# Altium PCB PCB_15122020_01CA.PcbDoc (part 3 of 5) (continued)
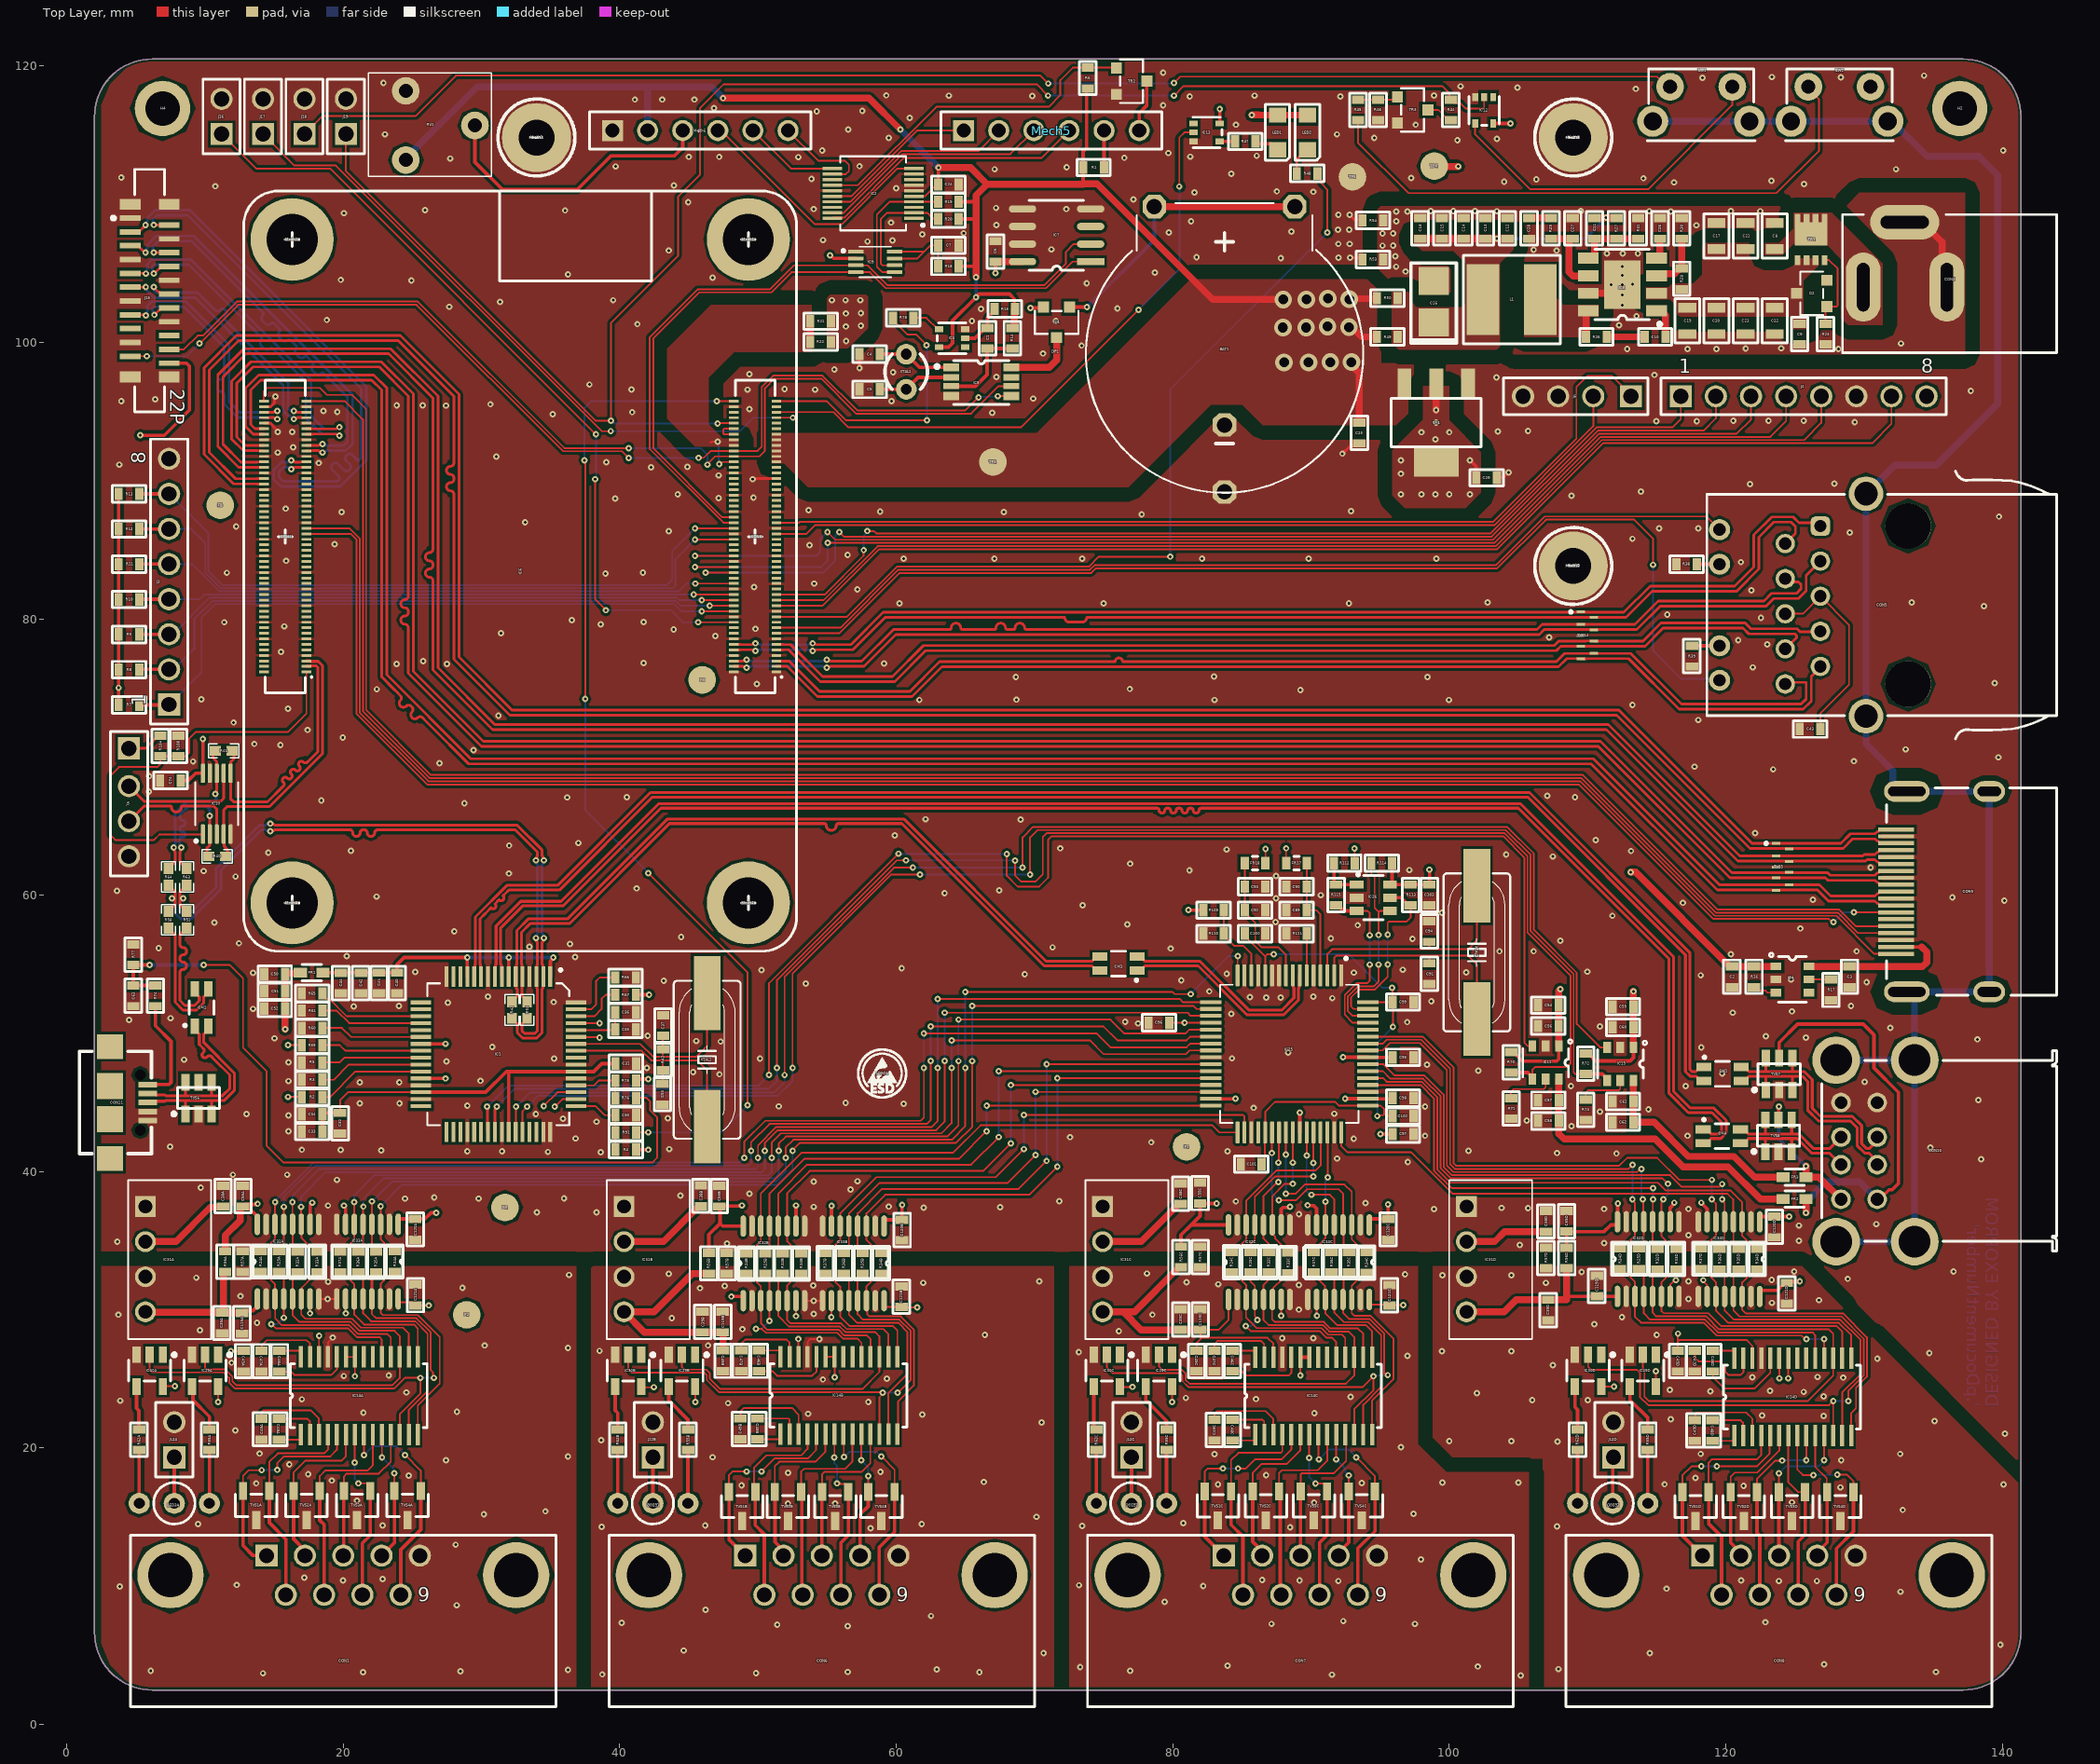
[diagram p0: Top Layer view]
## Nets (pads, with @x,y where several pads share a name; then routed paths per layer and width w, separated by ;. In a path a pad name is that pad's centre, name@x,y a point inside that pad or via, vN(x,y) a via of type N, cw(c..) or ccw(c..) an arc to the next point about the centre after c; other vN are vias at no path point) (continued)
  Bottom Layer w0.127: J3.1@7.4,73.8 9.75,76.15 9.75,80.1 10.716,81.066 11.745,81.066 43.936,81.066 44.448,80.554 v1(45.927,80.554)
GPIO27: CON3.48
HDMI0_CEC: CON4.51 CON9.13 | length 134.3
  Top Layer w0.127: CON4.51@17.337,86.152 20.522,86.152 20.964,85.71 20.964,73.116 26.066,68.014 109.373,68.014 119.103,58.284 127.474,58.284 127.71,58.048 v1(127.8,58.048) ; v1(129.273,58.762) CON9.13@132.34,58.762
  Bottom Layer w0.127: v1(127.8,58.048) 128.514,58.762 v1(129.273,58.762)
HDMI0_CLK_N: CON4.90 CON9.12 TVS5.5 | length 152
  Top Layer w0.192: CON4.90@14.257,93.752 14.253,93.748 13.619,93.748 13.3,94.067 13.3,96.55 14.025,97.275 22.05,97.275 22.77,96.555 22.77,75.807 23.677,74.9 23.887,74.691 24.135,74.443 cw(c23.964,74.272) 24.135,74.102 ccw(c24.344,73.893) 24.135,73.683 ccw(c24.344,73.893) 24.553,73.683 cw(c24.723,73.513) 24.894,73.683 24.971,73.606 cw(c24.801,73.435) 24.971,73.265 ccw(c25.181,73.056) 24.971,72.847 ccw(c25.181,73.056) 25.39,72.847 cw(c25.56,72.676) 25.731,72.847 25.979,72.599 26.252,72.325 29.072,69.505 110.273,69.505 119.398,60.38 126.634,60.38 127.437,59.577 130.795,59.577 130.958,59.415 131.037,59.415 131.19,59.262 CON9.12@132.34,59.262
HDMI0_CLK_P: CON4.88 CON9.10 TVS5.6 | length 152
  Top Layer w0.192: CON4.88@14.257,93.352 14.253,93.356 13.488,93.356 12.93,93.914 12.93,96.703 13.872,97.645 22.203,97.645 23.14,96.708 23.14,75.96 29.225,69.875 110.426,69.875 119.551,60.75 126.787,60.75 127.59,59.947 130.795,59.947 130.958,60.11 131.037,60.11 131.19,60.262 CON9.10@132.34,60.262
HDMI0_HOTPLUG: CON4.53 CON9.19 | length 135.1
  Top Layer w0.127: CON4.53@17.337,86.552 20.445,86.552 21.193,85.805 21.193,73.211 26.161,68.243 109.467,68.243 119.198,58.513 128.004,58.513 130.754,55.762 CON9.19@132.34,55.762
HDMI0_SCL: CON4.100 CON9.15 | length 147.8
  Top Layer w0.127: CON4.100@14.257,95.752 14.257,96.465 14.5,96.708 18.317,96.708 18.825,96.2 20.625,96.2 21.65,95.175 21.65,73.4 26.35,68.7 109.657,68.7 119.387,58.97 128.193,58.97 129.401,57.762 CON9.15@132.34,57.762
HDMI0_SDA: CON4.99 CON9.16 | length 143.3
  Top Layer w0.127: CON4.99@17.337,95.752 20.098,95.752 21.421,94.429 21.421,73.305 26.255,68.471 109.562,68.471 119.292,58.741 128.099,58.741 129.578,57.262 CON9.16@132.34,57.262
HDMI0_TX0_N: CON4.84 CON9.9 TVS5.4 | length 155.1
  Top Layer w0.192: CON4.84@14.257,92.552 14.253,92.548 13.796,92.548 13.785,92.537 12.915,92.537 12.3,93.152 12.3,97.05 13.475,98.225 22.6,98.225 24.7,96.125 24.7,82.275 24.7,81.979 24.7,81.628 cw(c24.459,81.628) 24.459,81.387 ccw(c24.459,81.091) 24.163,81.091 ccw(c24.459,81.091) 24.459,80.796 cw(c24.459,80.554) 24.7,80.554 24.7,80.445 cw(c24.459,80.445) 24.459,80.204 ccw(c24.459,79.908) 24.163,79.908 ccw(c24.459,79.908) 24.459,79.612 cw(c24.459,79.371) 24.7,79.371 24.7,79.075 24.7,76.052 29.986,70.766 110.786,70.766 120.297,61.255 127.222,61.255 127.4,61.077 130.795,61.077 130.958,60.915 131.037,60.915 131.19,60.762 CON9.9@132.34,60.762
HDMI0_TX0_P: CON4.82 CON9.7 TVS5.7 | length 155.1
  Top Layer w0.192: CON4.82@14.257,92.152 14.253,92.156 13.796,92.156 13.785,92.167 12.762,92.167 11.93,92.999 11.93,97.203 13.322,98.595 22.753,98.595 25.07,96.278 25.07,76.205 30.14,71.135 110.94,71.135 120.45,61.625 127.375,61.625 127.553,61.447 130.796,61.447 130.958,61.61 131.037,61.61 131.19,61.762 CON9.7@132.34,61.762
HDMI0_TX1_N: CON4.78 CON9.6 TVS5.8 | length 158.2
  Top Layer w0.192: CON4.78@14.257,91.352 14.253,91.348 13.796,91.348 13.785,91.337 12.588,91.337 11.3,92.625 11.3,97.5 12.975,99.175 23.275,99.175 26.48,95.97 26.48,85.675 26.48,85.379 26.48,85.028 cw(c26.239,85.028) 26.239,84.787 ccw(c26.239,84.491) 25.943,84.491 ccw(c26.239,84.491) 26.239,84.196 cw(c26.239,83.954) 26.48,83.954 26.48,83.845 cw(c26.239,83.845) 26.239,83.604 ccw(c26.239,83.308) 25.943,83.308 ccw(c26.239,83.308) 26.239,83.012 cw(c26.239,82.771) 26.48,82.771 26.48,82.42 26.48,82.325 26.48,76.303 30.799,71.984 111.365,71.984 120.874,62.475 130.11,62.475 130.212,62.577 130.795,62.577 130.958,62.415 131.037,62.415 131.19,62.262 CON9.6@132.34,62.262
HDMI0_TX1_P: CON4.76 CON9.4 TVS5.2 | length 158.2
  Top Layer w0.192: CON4.76@14.257,90.952 14.253,90.956 13.796,90.956 13.785,90.967 12.435,90.967 10.93,92.472 10.93,97.653 12.822,99.545 23.428,99.545 26.85,96.123 26.85,76.456 30.952,72.353 111.518,72.353 121.027,62.845 129.922,62.845 130.024,62.947 130.796,62.947 130.958,63.11 131.037,63.11 131.19,63.262 CON9.4@132.34,63.262
HDMI0_TX2_N: CON4.72 CON9.3 TVS5.9 | length 161.6
  Top Layer w0.192: CON4.72@14.257,90.152 14.253,90.148 13.796,90.148 13.785,90.137 12.213,90.137 10.3,92.05 10.3,98 12.425,100.125 23.975,100.125 28,96.1 28,91.925 28,91.629 28,91.278 cw(c27.759,91.278) 27.759,91.037 ccw(c27.759,90.741) 27.463,90.741 ccw(c27.759,90.741) 27.759,90.446 cw(c27.759,90.204) 28,90.204 28,90.095 cw(c27.759,90.095) 27.759,89.854 ccw(c27.759,89.558) 27.463,89.558 ccw(c27.759,89.558) 27.759,89.262 cw(c27.759,89.021) 28,89.021 28,89 28,77.077 32.047,73.03 112.116,73.03 121.754,63.392 128.49,63.392 129.175,64.077 130.795,64.077 130.958,63.915 131.037,63.915 131.19,63.762 CON9.3@132.34,63.762
HDMI0_TX2_P: CON4.70 CON9.1 TVS5.1 | length 161.6
  Top Layer w0.192: CON4.70@14.257,89.752 14.253,89.756 13.796,89.756 13.785,89.767 12.06,89.767 9.93,91.897 9.93,98.153 12.272,100.495 24.128,100.495 28.37,96.253 28.37,77.23 32.2,73.4 112.269,73.4 121.907,63.762 128.337,63.762 129.022,64.447 130.795,64.447 130.958,64.61 131.037,64.61 131.19,64.762 CON9.1@132.34,64.762
HDMI1_CEC: CON4.49
HDMI1_CLK_N: CON4.66
HDMI1_CLK_P: CON4.64
HDMI1_HOTPLUG: CON4.43
HDMI1_SCL: CON4.47
HDMI1_SDA: CON4.45
HDMI1_TX0_N: CON4.60
HDMI1_TX0_P: CON4.58
HDMI1_TX1_N: CON4.54
HDMI1_TX1_P: CON4.52
HDMI1_TX2_N: CON4.48
HDMI1_TX2_P: CON4.46
HDMI_PWR: C3.1 CON9.18 IC4.6 | length 11.8
  Top Layer w0.254: CON9.18@132.34,56.262 134.188,56.262
  Top Layer w0.5: IC4.6@126.025,54.85 126.05,54.825 134.225,54.825 134.55,55.15 134.55,55.9 134.188,56.262
ID_SC: CON3.35
ID_SD: CON3.36
ISO_TTL_CTSA: IC14A.16 IC32A.6 R33A.2 | length 13.7
  Top Layer w0.127: R33A.2@18.125,32.725 17.975,32.725 17.738,32.488 17.738,32.338 17.016,31.616 17.016,30.841 IC32A.6@16.964,30.789 16.964,29.661 17.275,29.35 20.625,29.35 21.264,28.711 24.3,28.711 24.741,28.269 IC14A.16@24.741,26.589
ISO_TTL_CTSB: IC14B.16 IC32B.6 R33B.2 | length 13.2
  Top Layer w0.127: R33B.2@53.125,32.6 52.975,32.6 52.107,31.732 IC32B.6@52.107,30.664 52.107,29.293 52.375,29.025 56.011,29.025 56.425,28.611 59.075,28.611 59.434,28.251 IC14B.16@59.434,26.614
ISO_TTL_CTSC: IC14C.16 IC32C.6 R33C.2 | length 12.6
  Top Layer w0.127: R33C.2@88.35,32.65 88.2,32.65 87.963,32.413 87.963,32.263 87.263,31.563 87.263,30.803 IC32C.6@87.21,30.751 87.187,30.728 87.187,29.326 87.381,29.132 90.943,29.132 91.414,28.661 93.402,28.661 93.779,28.284 IC14C.16@93.779,26.575
ISO_TTL_CTSD: IC14D.16 IC32D.6 R33D.2 | length 19.2
  Top Layer w0.127: 115.5,32.138 115.348,31.986 IC32D.6@115.348,30.975 115.348,29.927 115.521,29.754 118.746,29.754 119.679,28.821 128.036,28.821 128.427,28.43 IC14D.16@128.427,26.492 ; 115.5,32.14 116.285,32.925 R33D.2@116.435,32.925
ISO_TTL_DCDA: IC14A.18 IC32A.3 R24A.2 | length 14.3
  Top Layer w0.127: R24A.2@14.025,32.75 14.175,32.75 15.059,31.866 IC32A.3@15.059,30.789 15.075,30.773 15.075,29.375 15.557,28.893 20.436,28.893 21.075,28.253 23.2,28.253 23.441,28.012 IC14A.18@23.441,26.589
ISO_TTL_DCDB: IC14B.18 IC32B.3 R24B.2 | length 13.8
  Top Layer w0.127: R24B.2@49.154,32.6 49.304,32.6 50.202,31.703 IC32B.3@50.202,30.664 50.225,30.641 50.225,29 50.657,28.568 55.821,28.568 56.236,28.153 57.875,28.153 58.134,27.894 IC14B.18@58.134,26.614
ISO_TTL_DCDC: IC14C.18 IC32C.3 R24C.2 | length 13
  Top Layer w0.127: R24C.2@84.258,32.7 84.408,32.7 85.305,31.802 IC32C.3@85.305,30.751 85.3,30.746 85.3,29.45 86.075,28.675 90.754,28.675 91.225,28.203 92.25,28.203 92.479,27.975 IC14C.18@92.479,26.575
ISO_TTL_DCDD: IC14D.18 IC32D.3 R24D.2 | length 19.7
  Top Layer w0.127: R24D.2@112.355,32.95 112.505,32.95 113.443,32.012 IC32D.3@113.443,30.975 113.443,29.5 113.875,29.068 118.41,29.068 119.343,28.135 125.495,28.135 125.737,27.894 v1(125.827,27.894) ; v1(127.125,27.894) 127.127,27.892 IC14D.18@127.127,26.492
  Bottom Layer w0.127: v1(125.827,27.894) v1(127.125,27.894)
ISO_TTL_DSRA: IC14A.19 IC32A.4 R25A.2 | length 14.3
  Top Layer w0.127: v1(14.8,28.975) 15.111,28.664 20.341,28.664 20.98,28.025 22.616,28.025 22.791,27.85 IC14A.19@22.791,26.589 ; R25A.2@15.35,32.75 15.457,32.75 15.694,32.514 IC32A.4@15.694,30.789 v1(15.694,29.425)
  Bottom Layer w0.127: v1(14.8,28.975) 15.244,28.975 v1(15.694,29.425)
ISO_TTL_DSRB: IC14B.19 IC32B.4 R25B.2 | length 13.8
  Top Layer w0.127: v1(49.85,28.625) 50.277,28.625 50.563,28.339 55.727,28.339 56.141,27.925 57.175,27.925 57.484,27.616 IC14B.19@57.484,26.614 ; R25B.2@50.525,32.6 50.6,32.6 50.837,32.363 IC32B.4@50.837,30.664 50.831,30.658 50.831,29.206 v1(50.825,29.2)
  Bottom Layer w0.127: v1(49.85,28.625) 49.865,28.64 50.266,28.64 v1(50.825,29.2)
ISO_TTL_DSRC: IC14C.19 IC32C.4 R25C.2 | length 12.8
  Top Layer w0.127: v1(85.275,28.825) 85.654,28.446 90.659,28.446 91.13,27.975 91.525,27.975 91.829,27.671 IC14C.19@91.829,26.575 ; R25C.2@85.625,32.7 85.625,32.065 85.94,31.75 IC32C.4@85.94,30.751 85.94,29.547 86.125,29.362 v1(86.125,29.275)
  Bottom Layer w0.127: v1(85.275,28.825) 85.291,28.841 85.691,28.841 v1(86.125,29.275)
ISO_TTL_DSRD: IC14D.19 IC32D.4 R25D.2 | length 18.2
  Top Layer w0.127: R25D.2@113.715,32.95 113.841,32.95 114.078,32.713 IC32D.4@114.078,30.975 114.078,29.751 114.533,29.297 118.505,29.297 119.437,28.364 126.288,28.364 126.477,28.175 IC14D.19@126.477,26.492
ISO_TTL_DTRA: IC14A.13 IC33A.12 R36A.2 | length 16.3
  Top Layer w0.127: R36A.2@21.075,32.725 21.197,32.725 21.434,32.488 IC33A.12@21.434,30.789 21.434,29.741 22.007,29.168 25.207,29.168 26.1,28.275 26.1,24.127 24.741,22.768 IC14A.13@24.741,20.989
ISO_TTL_DTRB: IC14B.13 IC33B.12 R36B.2 | length 16
  Top Layer w0.127: R36B.2@56.125,32.625 56.275,32.625 56.577,32.323 IC33B.12@56.577,30.664 56.577,29.65 57.159,29.068 60.136,29.068 60.818,28.386 60.818,25.368 59.434,23.984 IC14B.13@59.434,21.014
ISO_TTL_DTRC: IC14C.13 IC33C.12 R36C.2 | length 14.8
  Top Layer w0.127: R36C.2@91.5,32.7 91.68,32.52 IC33C.12@91.68,30.751 91.68,29.825 92.388,29.118 94.125,29.118 95.075,28.168 95.075,24.425 93.779,23.129 IC14C.13@93.779,20.975
ISO_TTL_DTRD: IC14D.13 IC33D.12 R36D.2 | length 21.4
  Top Layer w0.127: R36D.2@119.561,32.925 119.687,32.925 119.924,32.688 IC33D.12@119.924,30.967 119.924,29.959 120.588,29.294 128.281,29.294 129.75,27.825 129.75,25.35 128.427,24.027 IC14D.13@128.427,20.892
ISO_TTL_RIA: IC14A.15 IC33A.11 R37A.2 | length 10.7
  Top Layer w0.127: R37A.2@19.775,32.725 19.925,32.725 20.799,31.851 IC33A.11@20.799,30.789 20.799,29.651 21.511,28.939 25.111,28.939 25.391,28.659 IC14A.15@25.391,26.589
ISO_TTL_RIB: IC14B.15 IC33B.11 R37B.2 | length 10.1
  Top Layer w0.127: R37B.2@54.859,32.625 55.009,32.625 55.942,31.692 IC33B.11@55.942,30.664 55.942,29.508 56.611,28.839 59.761,28.839 60.084,28.516 IC14B.15@60.084,26.614
ISO_TTL_RIC: IC14C.15 IC33C.11 R37C.2 | length 9.2
  Top Layer w0.127: R37C.2@90.2,32.7 90.35,32.7 90.587,32.463 90.587,32.138 91.025,31.7 91.025,30.771 IC33C.11@91.045,30.751 91.045,29.755 91.911,28.889 93.986,28.889 94.429,28.446 IC14C.15@94.429,26.575
ISO_TTL_RID: IC14D.15 IC33D.11 R37D.2 | length 15.7
  Top Layer w0.127: R37D.2@118.201,32.95 118.351,32.95 119.289,32.012 IC33D.11@119.289,30.967 119.289,29.959 120.191,29.057 128.195,29.057 129.077,28.175 IC14D.15@129.077,26.492
ISO_TTL_RTSA: IC14A.14 IC33A.14 R34A.2 | length 16.2
  Top Layer w0.127: R34A.2@23.725,32.75 23.575,32.75 22.704,31.879 IC33A.14@22.704,30.789 22.704,29.796 22.875,29.625 25.397,29.625 26.975,28.047 26.975,24.678 25.391,23.095 IC14A.14@25.391,20.989
ISO_TTL_RTSB: IC14B.14 IC33B.14 R34B.2 | length 15.4
  Top Layer w0.127: R34B.2@58.925,32.625 58.775,32.625 57.847,31.697 IC33B.14@57.847,30.664 57.899,30.611 57.899,29.701 58.075,29.525 60.325,29.525 61.275,28.575 61.275,24.525 60.136,23.386 60.136,21.065 IC14B.14@60.084,21.014
ISO_TTL_RTSC: IC14C.14 IC33C.14 R34C.2 | length 14.8
  Top Layer w0.127: R34C.2@94.025,32.675 93.875,32.675 92.95,31.75 IC33C.14@92.95,30.751 92.95,29.754 93.129,29.575 94.314,29.575 95.975,27.914 95.975,25.002 94.429,23.455 IC14C.14@94.429,20.975
ISO_TTL_RTSD: IC14D.14 IC33D.14 R34D.2 | length 20.9
  Top Layer w0.127: R34D.2@122.281,32.925 122.131,32.925 121.194,31.988 IC33D.14@121.194,30.967 121.194,29.996 121.439,29.751 128.47,29.751 130.207,28.014 130.207,25.159 129.425,24.377 129.425,22.875 129.077,22.527 IC14D.14@129.077,20.892
ISO_TTL_RXA: IC14A.17 IC29A.2 IC32A.5 R32A.2 | length 30.7
  Top Layer w0.127: IC29A.2@10,26.75 10,25.829 10.125,25.704 11.445,25.704 11.979,25.17 11.979,24.825 12.254,24.55 23.575,24.55 24.091,25.066 IC14A.17@24.091,26.589 24.091,28.109 23.718,28.482 21.17,28.482 20.53,29.121 16.829,29.121 16.329,29.621 IC32A.5@16.329,30.789 16.329,32.488 16.565,32.725 R32A.2@16.7,32.725
ISO_TTL_RXB: IC14B.17 IC29B.2 IC32B.5 R32B.2 | length 30.3
  Top Layer w0.127: IC29B.2@44.5,26.75 44.5,25.854 44.675,25.679 46.251,25.679 46.525,25.404 46.525,25.015 47.265,24.275 57.55,24.275 58.784,25.509 IC14B.17@58.784,26.614 58.784,28.079 58.482,28.382 56.33,28.382 55.916,28.796 52.229,28.796 51.472,29.553 IC32B.5@51.472,30.664 51.472,32.363 51.708,32.6 R32B.2@51.8,32.6
ISO_TTL_RXC: IC14C.17 IC29C.2 IC32C.5 R32C.2 | length 29.4
  Top Layer w0.127: IC29C.2@79,26.75 79,25.9 79.25,25.65 80.675,25.65 80.925,25.4 80.925,24.946 81.221,24.65 92.525,24.65 93.129,25.254 IC14C.17@93.129,26.575 93.129,28.025 92.722,28.432 91.32,28.432 90.848,28.903 86.934,28.903 86.575,29.262 IC32C.5@86.575,30.751 86.575,31.8 86.95,32.175 R32C.2@86.95,32.7
ISO_TTL_RXD: IC14D.17 IC29D.2 IC32D.5 R32D.2 | length 37.7
  Top Layer w0.127: IC29D.2@114,26.75 114,25.675 114.125,25.55 114.125,23.725 114.45,23.4 125.925,23.4 127.777,25.252 IC14D.17@127.777,26.492 127.777,28.283 127.467,28.592 119.532,28.592 118.599,29.525 114.976,29.525 114.713,29.788 IC32D.5@114.713,30.975 114.713,32.688 114.949,32.925 R32D.2@115.075,32.925
ISO_TTL_TXA: IC14A.12 IC30A.2 IC33A.13 R35A.2 | length 38.8
  Top Layer w0.127: IC30A.2@5.999,26.75 5.999,25.651 6.175,25.475 11.35,25.475 11.75,25.075 11.75,24.73 12.159,24.321 23.696,24.321 24.45,25.075 v1(25.575,25.075) 25.575,23.925 24.091,22.441 IC14A.12@24.091,20.989 ; IC33A.13@22.069,30.789 22.069,29.706 22.379,29.396 25.302,29.396 26.329,28.37 26.329,25.65 26.488,25.49 26.488,25.137 v1(26.55,25.075)
  Top Layer w0.192: IC33A.13@22.069,30.789 22.069,32.521 22.273,32.725 R35A.2@22.375,32.725
  Bottom Layer w0.127: v1(25.575,25.075) v1(26.55,25.075)
ISO_TTL_TXB: IC14B.12 IC30B.2 IC33B.13 R35B.2 | length 36.8
  Top Layer w0.127: IC30B.2@40.618,26.75 40.618,25.707 40.875,25.45 46.121,25.45 46.296,25.275 46.296,24.92 47.17,24.046 58.979,24.046 v1(59.025,24) 59.025,23.913 58.784,23.672 IC14B.12@58.784,21.014 ; R35B.2@57.375,32.65 57.212,32.487 IC33B.13@57.212,30.664 57.212,29.675 57.591,29.296 60.23,29.296 61.046,28.48 61.046,24.946 v1(60.1,24)
  Bottom Layer w0.127: v1(59.025,24) v1(60.1,24)
ISO_TTL_TXC: IC14C.12 IC30C.2 IC33C.13 R35C.2 | length 37.2
  Top Layer w0.127: IC30C.2@75.236,26.75 75.236,25.839 75.654,25.421 80.546,25.421 80.696,25.271 80.696,24.852 81.127,24.421 93.746,24.421 v1(94.525,25.2) 94.525,24.198 93.129,22.802 IC14C.12@93.129,20.975 ; R35C.2@92.75,32.7 92.6,32.7 92.363,32.463 92.363,30.799 IC33C.13@92.315,30.751 92.315,29.785 92.754,29.346 94.22,29.346 95.304,28.262 95.304,25.399 95.338,25.399 95.463,25.275 v1(95.55,25.275)
  Bottom Layer w0.127: v1(94.525,25.2) 94.563,25.238 95.513,25.238 v1(95.55,25.275)
ISO_TTL_TXD: IC14D.12 IC30D.2 IC33D.13 R35D.2 | length 42.9
  Top Layer w0.127: IC30D.2@110.045,26.75 110.045,25.875 110.27,25.65 113.602,25.65 113.8,25.452 113.8,23.7 114.4,23.1 127.477,23.1 v1(127.777,23.4) IC14D.12@127.777,20.892 ; R35D.2@120.921,32.925 120.795,32.925 120.559,32.688 IC33D.13@120.559,30.967 120.559,29.959 120.995,29.523 128.375,29.523 129.979,27.92 129.979,25.254 128.875,24.15 v1(128.875,23.4)
  Bottom Layer w0.127: v1(127.777,23.4) v1(128.875,23.4)
LCD_D4: IC2.16 J2.1 | length 11.5
  Top Layer w0.127: IC2.16@55.375,110.575 56.753,110.575 61.503,115.325 J2.1@64.875,115.325
LCD_D5: IC2.17 J2.2 | length 14.2
  Top Layer w0.127: IC2.17@55.375,110.175 56.677,110.175 60.352,113.85 65.94,113.85 J2.2@67.415,115.325
LCD_D6: IC2.19 J2.3 | length 17
  Top Layer w0.127: IC2.19@55.375,109.375 56.2,109.375 60.446,113.621 67.721,113.621 67.725,113.625 68.255,113.625 J2.3@69.955,115.325
LCD_D7: IC2.20 J2.4 | length 19.8
  Top Layer w0.127: IC2.20@55.375,108.975 55.426,109.026 56.226,109.026 60.55,113.35 70.52,113.35 J2.4@72.495,115.325
LCD_E: IC2.12 J1.6 | length 7.2
  Top Layer w0.127: J1.6@52.175,115.325 54.35,113.15 56.275,113.15 56.575,112.85 56.575,112.4 56.35,112.175 IC2.12@55.375,112.175
LCD_RS: IC2.10 J1.4 | length 18.7
  Top Layer w0.127: J1.4@47.095,115.325 47.329,115.325 54.104,108.55 56.073,108.55 60.098,112.575 IC2.10@61.275,112.575
LCD_RW: IC2.11 J1.5 | length 6.9
  Top Layer w0.127: J1.5@49.635,115.325 52.385,112.575 IC2.11@55.375,112.575
LCD_VO: J1.3 RV1.3 | length 21
  Top Layer w0.254: RV1.3@29.525,115.7 29.525,113.05 31.525,111.05 36.925,111.05 39.375,113.5 43.95,113.5 44.555,114.105 J1.3@44.555,115.325
NetBAT1_1: BAT1.1 D1.1 | length 20.7
  Top Layer w0.254: D1.1@72.55,102.55 73.75,102.55 v1(73.8,102.55)
  Top Layer w0.5: BAT1.1@78.67,109.82 BAT1.1@88.83,109.82
  Bottom Layer w0.254: v1(73.8,102.55) 78.67,107.42 BAT1.1@78.67,109.82
NetC1_2: C1.2 IC3.2 R15.1 | length 3.5
  Top Layer w0.254: IC3.2@65,100.3 65.7,100.3 66.45,101.05 C1.2@66.6,101.05 66.6,101.775 67.1,102.275 R15.1@67.1,102.425
NetC7_1: C7.1 IC9.7 IC9.8 R18.1 | length 7.2
  Top Layer w0.127: IC9.7@59.88,106.075 61.525,106.075 62.025,106.575 ; IC9.8@59.88,106.575 62.025,106.575 ; R18.1@63.025,105.5 C7.1@63.025,107.025 62.475,107.025 62.025,106.575
NetC8_1: C8.1 CON2.1 TR1.3
NetC10_1: C10.1 IC8.1 | length 2.4
  Top Layer w0.5: IC8.1@114.989,102.285 115.341,102.285 115.649,101.976 C10.1@115.649,100.4
NetC10_2: C10.2 R26.1 | length 2.7
  Top Layer w0.5: R26.1@111.399,100.4 C10.2@114.149,100.4
NetC11_2: C11.2 IC8.5 R27.1 R31.2 | length 4.9
  Top Layer w0.5: IC8.5@110.059,106.095 110.364,106.095 110.515,106.246 C11.2@110.515,107.5 R27.1@112.092,107.5 R31.2@113.67,107.5
NetC26_1: C26.1 IC8.4 | length 1.6
  Top Layer w0.5: IC8.4@114.989,106.095 115.096,106.095 115.247,106.246 C26.1@115.247,107.5
NetC27_1: C27.1 IC8.6 R29.1 | length 5.6
  Top Layer w0.5: R29.1@107.361,107.5 C27.1@108.788,107.5 ; C27.1@108.938,107.5 C27.1@108.788,107.5 ; IC8.6@110.059,104.825 110.034,104.8 108.95,104.8 108.65,105.1 108.65,107.212 108.738,107.3 108.738,107.45 C27.1@108.788,107.5
NetC28_1: C28.1 R29.2 | length 1.6
  Top Layer w0.5: C28.1@105.783,109 R29.2@107.361,109
NetC31_1: C31.1 C32.1 C33.1 C34.1 IC1.30 IC1.42 IC1.54 | length 28.9
  Top Layer w0.127: C32.1@19.771,44.25 19.771,45.175 20.34,45.744 IC1.30@25.608,45.744
  Top Layer w0.254: C33.1@18.496,42.9 C34.1@18.496,44.15 18.596,44.25 C32.1@19.771,44.25 ; IC1.30@25.608,45.744 30.294,45.744 31.794,47.244 32,47.244 ; IC1.42@31.971,42.881 31.971,47.215 32,47.244 ; C31.1@39.687,47.837 39.668,47.817 38.7,47.817 38.127,47.244 IC1.54@36.834,47.244 32,47.244
NetC35_1: C35.1 C36.1 IC1.60 | length 4.1
  Top Layer w0.127: IC1.60@36.834,50.244 39.62,50.244 C35.1@39.671,50.296 C36.1@39.671,51.546
NetC37_2: C37.2 IC1.58 R43.2 XTAL2.1 | length 15.5
  Top Layer w0.127: IC1.58@36.834,49.244 41.481,49.244 42.407,48.318 43.1,48.318 ; C37.2@43.146,49.825 43.121,49.8 R43.2@43.121,48.844 43.121,48.339 43.1,48.318 ; XTAL2.1@46.321,52.92 46.321,49.1 45.539,48.318 43.1,48.318
NetC40_1: C40.1 C41.1 C42.1 C44.1 FR1.1 IC1.1 IC1.7 IC1.13 | length 21.7
  Top Layer w0.254: FR1.1@18.546,54.4 C40.1@23.896,54.4 23.896,54.999 24.397,55.5 v1(28.971,55.5) IC1.13@28.971,54.108 ; v1(31.971,55.5) IC1.7@31.971,54.108 IC1.7@31.975,54.104 ; IC1.1@34.971,54.108 34.976,54.112 34.976,55.22 35.2,55.444 v1(35.2,55.5)
  Bottom Layer w0.254: v1(28.971,55.5) v1(31.971,55.5) v1(35.2,55.5)
NetC43_1: C43.1 CON5.5 CON5.6 | length 14.4
  Top Layer w0.127: CON5.6@124.31,80.365 125.58,80.365 CON5.5@126.85,81.635 128.925,79.56 128.925,75.25 126.85,73.175 C43.1@126.85,72.025
NetC46A_1: C46A.1 IC14A.28 | length 2
  Top Layer w0.127: C46A.1@15.386,27.039 16.855,27.039 16.941,26.953 IC14A.28@16.941,26.589
NetC46A_2: C46A.2 IC14A.24 | length 5.3
  Top Layer w0.127: C46A.2@15.386,25.539 16.211,25.539 16.45,25.3 19.15,25.3 19.55,25.7 19.55,26.58 IC14A.24@19.541,26.589
NetC46B_1: C46B.1 IC14B.28 | length 2
  Top Layer w0.127: C46B.1@50.079,27.064 51.548,27.064 51.634,26.977 IC14B.28@51.634,26.614
NetC46B_2: C46B.2 IC14B.24 | length 5.5
  Top Layer w0.127: C46B.2@50.079,25.564 51.036,25.564 51.375,25.225 53.925,25.225 54.234,25.534 IC14B.24@54.234,26.614
NetC46C_1: C46C.1 IC14C.28 | length 2.1
  Top Layer w0.127: C46C.1@84.324,27.05 85.892,27.05 85.979,26.963 IC14C.28@85.979,26.575
NetC46C_2: C46C.2 IC14C.24 | length 5.6
  Top Layer w0.127: C46C.2@84.324,25.55 85.005,25.55 85.305,25.25 88.401,25.25 88.579,25.428 IC14C.24@88.579,26.575
NetC46D_1: C46D.1 IC14D.28 | length 2.1
  Top Layer w0.127: C46D.1@119.072,27.042 120.54,27.042 120.627,26.956 IC14D.28@120.627,26.492
NetC46D_2: C46D.2 IC14D.24 | length 6.4
  Top Layer w0.127: C46D.2@119.072,25.542 119.075,25.539 119.075,25.15 119.925,24.3 122.075,24.3 123.227,25.452 IC14D.24@123.227,26.492
NetC47A_1: C47A.1 IC14A.27 | length 5.1
  Top Layer w0.127: C47A.1@14.086,27.039 14.125,27.078 14.125,27.45 14.475,27.8 17.35,27.8 17.591,27.559 IC14A.27@17.591,26.589
NetC47B_1: C47B.1 IC14B.27 | length 5.2
  Top Layer w0.127: C47B.1@48.779,27.064 48.779,27.554 49.075,27.85 52.075,27.85 52.284,27.641 IC14B.27@52.284,26.614
NetC47C_1: C47C.1 IC14C.27 | length 5.2
  Top Layer w0.127: C47C.1@83.024,27.05 83.024,27.549 83.225,27.75 86.4,27.75 86.61,27.54 86.61,26.594 IC14C.27@86.629,26.575
NetC47D_1: C47D.1 IC14D.27 | length 5.8
  Top Layer w0.127: C47D.1@117.772,27.042 117.772,26.528 118.025,26.275 119.55,26.275 119.975,25.85 119.975,25.5 120.175,25.3 121.1,25.3 121.277,25.477 IC14D.27@121.277,26.492
NetC48A_1: C48A.1 IC14A.1 | length 1.9
  Top Layer w0.127: C48A.1@15.336,20.614 16.855,20.614 16.941,20.701 IC14A.1@16.941,20.989
NetC48A_2: C48A.2 IC14A.2 | length 3.3
  Top Layer w0.127: C48A.2@15.336,22.114 17.411,22.114 17.591,21.934 IC14A.2@17.591,20.989
NetC48B_1: C48B.1 IC14B.1 | length 2
  Top Layer w0.127: C48B.1@49.979,20.639 51.548,20.639 51.634,20.725 IC14B.1@51.634,21.014
NetC48B_2: C48B.2 IC14B.2 | length 3.4
  Top Layer w0.127: C48B.2@49.979,22.139 52.21,22.139 52.284,22.064 IC14B.2@52.284,21.014
NetC48C_1: C48C.1 IC14C.1 | length 2
  Top Layer w0.127: C48C.1@84.324,20.551 85.892,20.551 85.979,20.637 IC14C.1@85.979,20.975
NetC48C_2: C48C.2 IC14C.2 | length 3.3
  Top Layer w0.127: C48C.2@84.324,22.051 86.484,22.051 86.61,21.925 86.61,20.994 IC14C.2@86.629,20.975
NetC48D_1: C48D.1 IC14D.1 | length 1.9
  Top Layer w0.127: C48D.1@119.047,20.517 120.54,20.517 120.627,20.604 IC14D.1@120.627,20.892
NetC48D_2: C48D.2 IC14D.2 | length 3.2
  Top Layer w0.127: C48D.2@119.047,22.017 121.083,22.017 121.25,21.85 121.25,20.919 IC14D.2@121.277,20.892
NetC49A_1: C49A.1 IC14A.3 | length 6.1
  Top Layer w0.127: C49A.1@14.086,22.114 14.086,22.6 14.219,22.732 17.643,22.732 18.241,22.134 IC14A.3@18.241,20.989
NetC49B_1: C49B.1 IC14B.3 | length 6.4
  Top Layer w0.127: C49B.1@48.729,22.139 48.729,22.629 49,22.9 52.45,22.9 52.934,22.416 IC14B.3@52.934,21.014
NetC49C_1: C49C.1 IC14C.3 | length 6.1
  Top Layer w0.127: C49C.1@83.024,22.051 83.024,22.475 83.224,22.675 86.7,22.675 87.279,22.096 IC14C.3@87.279,20.975
NetC49D_1: C49D.1 IC14D.3 | length 6.1
  Top Layer w0.127: C49D.1@117.772,22.017 117.8,22.045 117.8,22.475 117.9,22.575 121.475,22.575 121.927,22.123 IC14D.3@121.927,20.892
NetC53_2: C53.2 IC1.57 R43.1 XTAL2.2 | length 15.9
  Top Layer w0.127: IC1.57@36.834,48.744 41.589,48.744 42.276,48.058 43.1,48.058 ; C53.2@43.096,46.35 43.121,46.375 R43.1@43.121,47.344 43.1,47.365 43.1,48.058 ; XTAL2.2@46.321,43.268 46.321,47.327 45.59,48.058 43.1,48.058
NetC57_1: C57.1 C58.1 FR2.1 IC11.6 | length 22.1
  Top Layer w0.5: IC11.6@107.925,46.69 C57.1@107.925,45.171 C58.1@107.925,43.671 107.925,42.75 108.308,42.367 114.893,42.367 116.91,40.35 120.174,40.35 122.504,38.02 FR2.1@124.161,38.02
NetC61_1: C61.1 C62.1 FR3.1 IC15.6 | length 15.5
  Top Layer w0.5: IC15.6@113.323,46.594 C61.1@113.323,45.075 C62.1@113.323,43.575 114.825,43.575 117.3,41.1 120.595,41.1 122.095,39.6 FR3.1@124.161,39.6
NetC63_1: C63.1 R74.1 R76.2 R77.2 | length 58.5
  Top Layer w0.127: v1(9.907,54.95) 11.796,54.95 12.754,53.992 12.754,48.967 14.46,47.26 14.46,41.875 15.685,40.65 42.35,40.65 42.7,41 42.7,43.935 42.2,44.435 42.2,45.069 41.932,45.337 R76.2@41.187,45.337
  Top Layer w0.254: v1(5.999,54.95) R77.2@4.814,54.95 C63.1@4.814,53.475 R74.1@6.414,53.475
  Bottom Layer w0.254: v1(5.999,54.95) v1(9.907,54.95)
NetC89_1: C89.1 C90.1 FR17.2 IC25.4 | length 8.9
  Top Layer w0.127: FR17.2@89.707,62.321 C90.1@89.707,60.621 C89.1@89.707,58.921 90.389,58.921 90.687,58.623 IC25.4@90.687,54.201
NetC92_2: C92.2 C93.2 FR18.2 IC25.9 | length 10.1
  Top Layer w0.127: FR18.2@85.207,62.321 C93.2@85.207,60.621 C92.2@85.207,58.921 85.207,58.771 85.975,58.003 85.975,56.7 86.425,56.25 87.625,56.25 88.187,55.688 IC25.9@88.187,54.201
NetC99_1: C99.1 C100.1 C101.1 C102.1 IC25.12 IC25.37 IC25.49 IC25.64 | length 40
  Top Layer w0.127: C100.1@85.207,57.221 85.207,57.071 86.687,55.591 ; C101.1@86.425,40.55 86.662,40.786 86.662,42.815 IC25.37@86.687,42.841 86.687,44.331 87.406,45.05 91.75,45.05 92.029,44.771 IC25.49@94.117,44.771 94.121,44.775 95.037,44.775 95.3,44.512 95.3,44.184 ; IC25.12@86.687,54.201 86.687,55.591 ; v1(87.3,55.725) 86.821,55.725 86.687,55.591 ; IC25.64@94.117,52.271 C99.1@95.907,52.271 ; v1(94.802,44.021) 94.863,44.083 95.198,44.083 95.3,44.184 ; v1(95.875,53.3) 95.907,53.268 C99.1@95.907,52.271 ; C102.1@95.907,44.021 95.894,44.034 95.45,44.034 95.3,44.184 ; v1(95.922,50.475) 95.922,52.256 C99.1@95.907,52.271
  Bottom Layer w0.127: v1(87.3,55.725) 92.75,55.725 95.175,53.3 v1(95.875,53.3) ; v1(94.802,44.021) 94.802,49.327 95.922,50.447 v1(95.922,50.475)
NetCON5_12: CON5.12 R38.1 | length 1.6
  Top Layer w0.254: R38.1@117.925,83.95 CON5.12@119.56,83.95
NetCON5_13: CON5.13 R39.1 | length 2
  Top Layer w0.254: R39.1@117.55,78.05 CON5.13@119.56,78.05
NetD1_3: D1.3 IC5.8 | length 5.1
  Top Layer w0.5: IC5.8@68.325,98.193 71.068,98.193 71.6,98.725 D1.3@71.6,100.35
NetD2_1: D2.1 R23.2 TR1.2 | length 6
  Top Layer w0.127: TR1.2@127.151,105.95 127.475,105.95 128.1,105.325 128.1,102.674 128.026,102.6 127.325,102.6 D2.1@127.324,102.599 127.225,102.5 R23.2@127.225,101.35
NetIC1_19: IC1.19 R65.1 | length 7.9
  Top Layer w0.127: R65.1@18.496,52.9 18.496,52.75 18.733,52.513 18.983,52.513 20.252,51.244 IC1.19@25.608,51.244
NetIC1_20: IC1.20 R61.1 | length 7.5
  Top Layer w0.127: R61.1@18.496,51.65 19.523,51.65 20.428,50.744 IC1.20@25.608,50.744
NetIC1_22: IC1.22 R60.1 | length 7.4
  Top Layer w0.127: R60.1@18.496,50.4 19.909,50.4 20.564,49.744 IC1.22@25.608,49.744
NetIC1_24: IC1.24 R59.1 | length 7.3
  Top Layer w0.127: R59.1@18.496,49.15 19.746,49.15 20.152,48.744 IC1.24@25.608,48.744
NetIC1_25: IC1.25 R5.1 | length 7.3
  Top Layer w0.127: R5.1@18.496,47.9 19.721,47.9 20.065,48.244 IC1.25@25.608,48.244